# Altium PCB Tigershark 3D R2.2 - RRDC.PcbDoc (part 3 of 4) (continued)
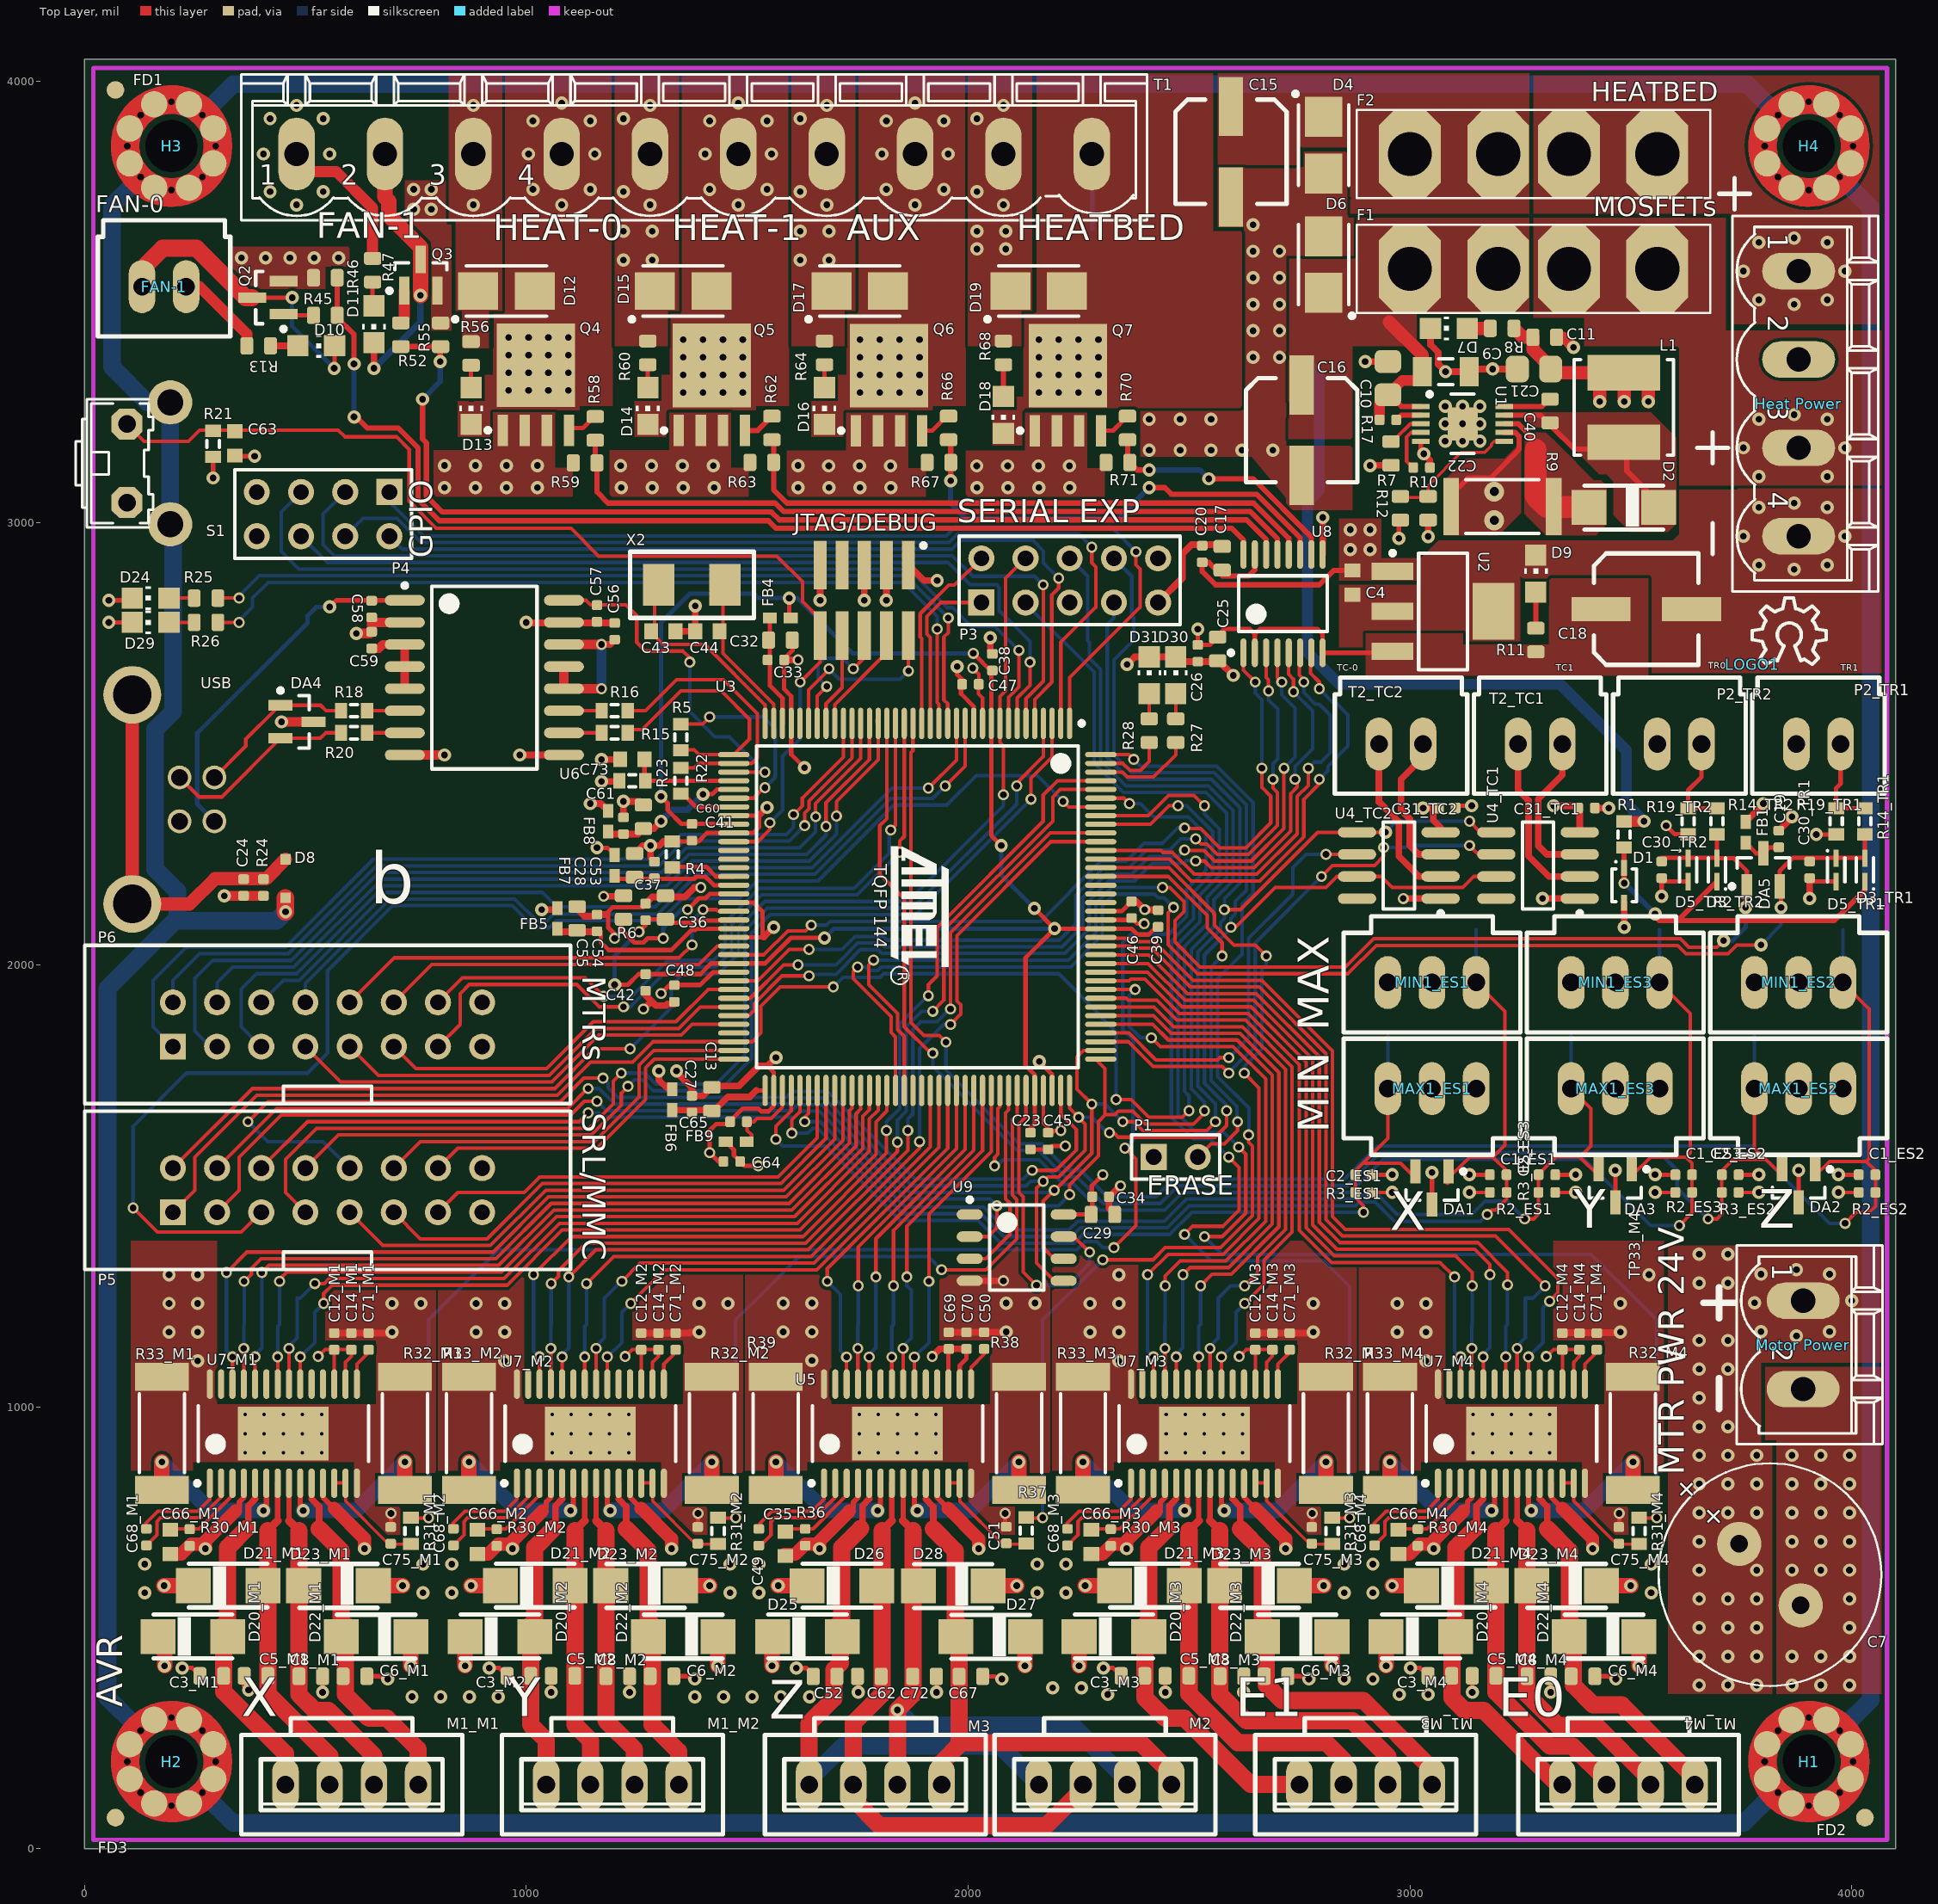
[diagram p0: Top Layer view]
## Nets (pads, with @x,y where several pads share a name; then routed paths per layer and width w, separated by ;. In a path a pad name is that pad's centre, name@x,y a point inside that pad or via, vN(x,y) a via of type N, cw(c..) or ccw(c..) an arc to the next point about the centre after c; other vN are vias at no path point) (continued)
  Top Layer w8: v2(370,1645) 415,1690 1076.77,1690 1130.27,1743.5 v2(1173.5,1743.5) ; v2(2145,1535) 2198.79,1535 2245,1581.21 2245,1626.77 2209.8,1661.96 U3.107@2209.8,1715.75
  Bottom Layer w8: v2(370,1645) 415,1600 540,1600 P5.10@600,1540 ; v2(1173.5,1743.5) 1185,1732 1185,1721.21 1206.21,1700 1588.13,1700 1601.63,1713.5 1681.5,1713.5 1880,1515 2125,1515 v2(2145,1535)
MCDZ1: P5.9 U3.81 | length 1338.9
  Top Layer w8: P5.9@600,1440 675,1365 918.79,1365 1043.79,1490 1582.43,1490 1697.99,1605.57 U3.81@1697.99,1715.75
MCDZ2: P5.11 U3.80 | length 1205.9
  Top Layer w8: P5.11@700,1440 760,1380 911.21,1380 1036.21,1505 1576.21,1505 1678.31,1607.09 U3.80@1678.31,1715.75
MCDZ3: P5.13 U3.79 | length 1035.6
  Top Layer w8: P5.13@800,1440 845,1485 995,1485 1030,1520 1570,1520 1658.5,1608.5 1658.5,1715.63 U3.79@1658.62,1715.75
MIN_ES1: C1_ES1.1 DA1.1 MIN1_ES1.1 R2_ES1.1 TP9_ES1.1 U3.77 | length 2683.6
  Top Layer w8: v4(1600.76,1618.99) 1600.76,1648.99 1619.25,1667.49 U3.77@1619.25,1715.75 ; DA1.1@3085,1505 3080,1510 3135,1565 3188.03,1565 ; MIN1_ES1.1@3150,1960 3215,1895 3215,1591.97 3188.03,1565 ; v2(3175,1435) 3185,1445 3193.9,1445 3218.9,1470 ; R2_ES1.1@3218.9,1485 3218.9,1534.13 3188.03,1565
  Bottom Layer w8: v4(1600.76,1618.99) 1637.22,1618.99 1648.23,1630 1658.93,1630 1852.17,1436.77 2028.79,1436.77 2080.55,1385 2234.34,1385 2254.34,1405 2450.55,1405 2500.55,1455 2876.77,1455 2885.27,1463.5 2921.5,1463.5 2965,1420 3160,1420 v2(3175,1435) ; MIN1_ES1.1@3150,1960 TP9_ES1.1@3150,2080
MIN_ES2: C1_ES2.1 DA2.1 MIN1_ES2.1 R2_ES2.1 TP9_ES2.1 U3.19 | length 3979.6
  Top Layer w8: U3.19@1875.16,2546.46 1875,2546.3 1875,2485 1870.47,2480.47 1870.47,1869.53 1900,1840 1935,1840 v2(1950,1825) ; DA2.1@3920,1519.8 3917.4,1522.4 3950,1555 4033.03,1555 ; MIN1_ES2.1@3980,1960 4040,1900 4040,1561.97 4033.03,1555 ; v2(3985,1415) 4010,1440 4040,1440 4053.9,1453.9 4053.9,1470 ; R2_ES2.1@4053.9,1485 4053.9,1534.13 4033.03,1555
  Bottom Layer w8: v2(1950,1825) 1950,1761.21 2116.21,1595 2166.21,1595 2226.21,1535 2255,1535 2315,1475 2425,1475 2465,1515 2851.91,1515 2926.91,1590 3775,1590 3950,1415 v2(3985,1415) ; MIN1_ES2.1@3980,1960 TP9_ES2.1@3980,2080
MIN_ES3: C1_ES3.1 DA3.1 MIN1_ES3.1 R2_ES3.1 TP9_ES3.1 U3.100 | length 2736.1
  Top Layer w8: v4(2060,1545) 2060,1564.08 2067.32,1571.4 2067.32,1675 2072.01,1679.68 U3.100@2072.01,1715.75 ; DA3.1@3502.4,1522.4 3545,1565 3625,1565 ; MIN1_ES3.1@3565,1960 3635,1890 3635,1574.91 3625.04,1564.96 3638.7,1551.3 C1_ES3.1@3638.7,1525 R2_ES3.1@3638.7,1485 ; v2(3610,1410) 3638.7,1438.7 3638.7,1470
  Bottom Layer w8: v4@2060,1540 2078.5,1558.5 2160.29,1558.5 2215.29,1503.5 2239.73,1503.5 2298.23,1445 2445,1445 2485,1485 2864.34,1485 2939.34,1560 3395,1560 3545,1410 v2(3610,1410) ; MIN1_ES3.1@3565,1960 TP9_ES3.1@3565,2080
MISO: P3.8 P5.4 TP7.1 U3.108 U4_TC1.7 U4_TC2.7 U9.5 | length 5247.8
  Top Layer w8: P5.4@300,1540 435,1675 1093.79,1675 1138.79,1720 v2(1140,1720) ; U9.5@2216.3,1285 2195,1285 2155,1325 2155,1495 v2(2170,1510) 2180,1520 2205,1520 2265,1580 2265,1640 v2(2250,1655) 2229.49,1675.51 U3.108@2229.49,1715.75 ; v2(2320,1620) 2330,1620 2340,1610 2558.79,1610 2585,1636.21 v2(2585,1670) ; v2(2595,2085) 2605,2085 2695,2175 2810,2175 2835,2200 U4_TC2.7@2880.51,2200 2935,2200 2960,2175 3120,2175 3145,2200 U4_TC1.7@3195.51,2200
  Bottom Layer w8: v2(1140,1720) 1165,1720 1200,1685 1594.34,1685 1607.84,1698.5 1675.29,1698.5 1873.79,1500 2131.21,1500 2141.21,1510 v2(2170,1510) ; v2(2250,1655) 2280,1655 2315,1620 v2(2320,1620) ; P3.8@2330,2920 2370.53,2879.47 2370.53,2789.47 2375,2785 TP7.1@2375,2735 2330,2690 2330,2475 2370,2435 2556.87,2435 2630,2361.87 2630,2168.79 2605,2143.79 2605,2115 2595,2105 v2(2595,2085) 2595,2082.72 2535,2022.72 2535,1732.02 2585,1682.02 v2(2585,1670) v2@2590,1670
MOD0E1: TP37_M1.1 U3.84 U7_M1.24 | length 1851.5
  Top Layer w8: U7_M1.24@386.02,1052.2 v2(386.02,1112.64) ; v2(401.26,1303.74) 417.52,1320 937.43,1320 1062.43,1445 1601.07,1445 1746.5,1590.43 1746.5,1663.37 1757.05,1673.92 U3.84@1757.05,1715.75
  Bottom Layer w8: v2(386.02,1112.64) 386.02,1118.57 401.23,1133.77 TP37_M1.1@401.23,1245.77 v2@401.23,1303.71
MOD0E2: TP37_M2.1 U3.135 U7_M2.24 | length 2122.7
  Top Layer w8: U7_M2.24@1081.02,1052.2 v2(1081.02,1112.64) ; v2(1096.26,1293.74) 1157.52,1355 1638.35,1355 1863.5,1580.15 v2(1863.5,1625) ; v2(1960,1900) 1960,2072.57 2185.85,2298.43 U3.135@2300.35,2298.43
  Bottom Layer w8: v2(1081.02,1112.64) 1081.02,1118.57 1096.23,1133.77 TP37_M2.1@1096.23,1245.77 v2@1096.23,1293.71 ; v2(1863.5,1625) 1863.5,1651.07 1875,1662.57 1875,1853.79 1892.71,1871.5 1929.73,1871.5 1958.23,1900 v2(1960,1900)
MOD0E3: TP37_M3.1 U3.113 U7_M3.24 | length 1275.3
  Top Layer w8: U3.113@2300.35,1865.35 2417.88,1865.35 2453.23,1830 2609.08,1830 2688.5,1750.58 2688.5,1413.65 2589.85,1315 2502.52,1315 v4(2486.26,1298.74) ; U7_M3.24@2471.02,1052.2 v4(2471.02,1112.64)
  Bottom Layer w8: v4(2471.02,1112.64) 2471.02,1118.57 2486.23,1133.77 TP37_M3.1@2486.23,1245.77 v4@2486.23,1298.71
MOD0E4: TP37_M4.1 U3.120 U7_M4.24 | length 1659.1
  Top Layer w8: U3.120@2300.35,2003.15 2407.36,2003.15 2490.51,1920 2646.36,1920 2780,1786.36 2780,1411.36 2834.86,1356.5 3147.29,1356.5 3181.23,1322.56 v4(3181.23,1298.77) ; U7_M4.24@3166.02,1052.2 v4(3166.02,1112.64)
  Bottom Layer w8: v4(3166.02,1112.64) 3166.02,1118.57 3181.23,1133.77 TP37_M4.1@3181.23,1245.77 v4(3181.23,1298.77)
MOD0E_Z: TP19.1 U3.96 U5.24 | length 747.6
  Top Layer w8: U5.24@1776.06,1052.17 v4(1776.06,1112.61) ; v4(1791.26,1293.74) 1791.26,1380.19 1993.27,1582.2 U3.96@1993.27,1715.75
  Bottom Layer w8: v4@1776.06,1118.54 1791.26,1133.74 TP19.1@1791.26,1234.74 v4(1791.26,1293.74)
MOD1E1: TP36_M1.1 U3.83 U7_M1.25 | length 1861
  Top Layer w8: U7_M1.25@360.43,1052.2 v2(360.43,1132.05) ; v2(361.26,1283.74) 377.76,1300.24 377.76,1313.47 399.29,1335 931.21,1335 1056.21,1460 1594.85,1460 1731.5,1596.65 1731.5,1669.59 1737.36,1675.45 U3.83@1737.36,1715.75
  Bottom Layer w8: v2(360.43,1132.05) 360.43,1184.98 TP36_M1.1@361.23,1185.77 v2@361.23,1283.71
MOD1E2: TP36_M2.1 U3.140 U7_M2.25 | length 2219.9
  Top Layer w8: U7_M2.25@1055.43,1052.2 v2(1055.43,1132.05) ; v2(1056.26,1278.74) 1072.76,1295.24 1072.76,1307.76 1135,1370 1632.13,1370 1840,1577.87 v2(1840,1598.64) ; v2(1920,1895) 1945,1920 1945,2078.79 2191.5,2325.29 2191.5,2379.73 2208.62,2396.85 U3.140@2300.35,2396.85
  Bottom Layer w8: v2(1055.43,1132.05) 1055.43,1184.98 TP36_M2.1@1056.23,1185.77 1056.23,1233.74 v2(1056.26,1278.74) ; v2(1840,1598.64) 1840,1648.79 1860,1668.79 1860,1860 1895,1895 v2(1920,1895)
MOD1E3: TP36_M3.1 U3.117 U7_M3.25 | length 1361.4
  Top Layer w8: U3.117@2300.35,1944.09 v2(2378.11,1944.09) ; v2(2415,1835) 2435,1815 2600,1815 2673.5,1741.5 2673.5,1419.86 2583.64,1330 2480,1330 2446.26,1296.26 v4(2446.26,1273.74) ; U7_M3.25@2445.43,1052.2 v4(2445.43,1132.05)
  Bottom Layer w8: v2(2378.11,1944.09) 2365,1930.98 2365,1860 2390,1835 v2(2415,1835) ; v4(2445.43,1132.05) 2445.43,1184.98 TP36_M3.1@2446.23,1185.77 v4@2446.23,1265.77
MOD1E4: TP36_M4.1 U3.119 U7_M4.25 | length 1586
  Top Layer w8: U3.119@2300.35,1983.46 2405.84,1983.46 2484.3,1905 2640.15,1905 2765,1780.15 2765,1405.15 2828.65,1341.5 3103.5,1341.5 3141.23,1303.77 v4(3141.23,1273.77) ; U7_M4.25@3140.43,1052.2 v4(3140.43,1132.05)
  Bottom Layer w8: v4(3140.43,1132.05) 3140.43,1184.98 TP36_M4.1@3141.23,1185.77 v4@3141.23,1265.77
MOD1E_Z: TP18.1 U3.95 U5.25 | length 746.9
  Top Layer w8: U5.25@1750.46,1052.17 v4(1750.46,1132.02) ; v4(1751.26,1273.74) 1751.26,1361.41 1973.58,1583.73 U3.95@1973.58,1715.75
  Bottom Layer w8: v4(1750.46,1132.02) TP18.1@1750.46,1184.94 ; TP18.1@1751.26,1185.74 v4@1751.26,1265.74
MOD2E1: TP35_M1.1 U3.82 U7_M1.26 | length 1889.7
  Top Layer w8: v2(321.26,1303.74) 367.52,1350 925,1350 1050,1475 1588.64,1475 1716.5,1602.86 1716.5,1714.57 U3.82@1717.68,1715.75 ; U7_M1.26@334.84,1052.2 v2(334.84,1112.64)
  Bottom Layer w8: v2@321.23,1303.71 TP35_M1.1@321.23,1245.77 321.23,1126.25 v2(334.84,1112.64)
MOD2E2: TP35_M2.1 U3.141 U7_M2.26 | length 2266.5
  Top Layer w8: v2(1016.26,1298.74) 1102.52,1385 1625.92,1385 1815,1574.08 v2(1815,1625) ; U7_M2.26@1029.84,1052.2 v2(1029.84,1112.64) ; v2(1910,1930) 1910,1955 1930,1975 1930,2085 2170,2325 2170,2384.07 2202.46,2416.54 U3.141@2300.35,2416.54
  Bottom Layer w8: v2@1016.23,1298.71 TP35_M2.1@1016.23,1245.77 1016.23,1126.25 v2(1029.84,1112.64) ; v2(1815,1625) 1815,1645 1845,1675 1845,1866.21 1908.79,1930 v2(1910,1930)
MOD2E3: TP35_M3.1 U3.131 U7_M3.26 | length 1668
  Top Layer w8: U3.131@2300.35,2219.68 2454.65,2219.68 2556.5,2117.84 2556.5,2115.27 2557.57,2114.19 2557.57,2089.19 2601.77,2045 2650,2045 v2(2675,2020) ; v4(2406.26,1298.74) 2452.52,1345 2577.43,1345 2658.5,1426.07 2658.5,1721.5 v2(2625,1755) ; U7_M3.26@2419.84,1052.2 v4(2419.84,1112.64)
  Bottom Layer w8: v4@2406.23,1298.71 TP35_M3.1@2406.23,1245.77 2406.23,1126.25 v4(2419.84,1112.64) ; v2(2625,1755) 2631.21,1755 2625,1761.21 2625,1770 2665,1810 2665,1990 2675,2000 v2(2675,2020)
MOD2E4: TP35_M4.1 U3.118 U7_M4.26 | length 1553.5
  Top Layer w8: U3.118@2300.35,1963.78 2364.56,1963.78 2368.38,1967.59 2400.49,1967.59 2478.09,1890 2633.93,1890 2750,1773.93 2750,1398.93 2822.43,1326.5 3068.5,1326.5 v4(3101.26,1293.74) ; U7_M4.26@3114.84,1052.2 v4(3114.84,1112.64)
  Bottom Layer w8: TP35_M4.1@3101.23,1245.77 3101.23,1126.25 v4(3114.84,1112.64) ; TP35_M4.1@3101.26,1245.8 v4(3101.26,1293.74) v4@3101.26,1298.74
MOD2E_Z: TP17.1 U3.94 U5.26 | length 794.6
  Top Layer w8: v4(1681.26,1283.74) 1681.26,1312.62 1953.9,1585.26 U3.94@1953.9,1715.75 ; U5.26@1724.87,1052.17 v4(1724.87,1112.61)
  Bottom Layer w8: v4(1681.26,1283.74) 1711.26,1253.74 1711.26,1126.22 v4(1724.87,1112.61)
MODE0_EXP1: P6.1 U3.27 | length 2044
  Top Layer w8: v2(1605,2340) 1624.85,2359.85 1624.85,2377.28 1717.68,2470.1 U3.27@1717.68,2546.46
  Bottom Layer w8: P6.1@200,1815 155,1860 155,1965 230,2040 455.15,2040 654.15,2239 1294,2239 1350,2295 1588.79,2295 1605,2311.21 v2(1605,2340)
MODE0_EXP2: P6.2 U3.26 | length 1900.9
  Top Layer w8: v2(1630,2315) 1630,2343.79 1639.85,2353.64 1639.85,2371.06 1737.36,2468.58 U3.26@1737.36,2546.46
  Bottom Layer w8: P6.2@200,1915 200,1965 260,2025 461.36,2025 660.36,2224 1300.21,2224 1356.21,2280 1595,2280 v2(1630,2315)
MODE1_EXP1: P6.3 U3.25 | length 2014.2
  Top Layer w8: v2(1654.85,2335.4) 1654.85,2364.85 1757.05,2467.05 U3.25@1757.05,2546.46
  Bottom Layer w8: P6.3@300,1815 285,1815 250,1850 250,1970 290,2010 467.57,2010 666.57,2209 1306.43,2209 1362.43,2265 1618.79,2265 1654.85,2301.06 v2(1654.85,2335.4)
MODE1_EXP2: P6.4 U3.24 | length 1855.3
  Top Layer w8: v2(1678.35,2313.35) 1678.35,2367.14 1776.73,2465.52 U3.24@1776.73,2546.46
  Bottom Layer w8: P6.4@300,1915 300,1960 335,1995 473.79,1995 672.79,2194 1312.64,2194 1368.64,2250 1635,2250 1678.35,2293.35 v2(1678.35,2313.35)
MODE2_EXP1: P6.5 U3.23 | length 1940.4
  Top Layer w8: v2(1701.85,2336.85) 1701.85,2369.42 1796.42,2463.99 U3.23@1796.42,2546.46 1793.64,2549.24 U3.23@1793.64,2555
  Bottom Layer w8: P6.5@400,1815 355,1860 355,1945 390,1980 480,1980 679,2179 1318.85,2179 1374.85,2235 1641.21,2235 1701.85,2295.64 v2(1701.85,2336.85)
MODE2_EXP2: P6.6 U3.14 | length 1910.6
  Top Layer w8: v2(1910,2400) 1973.58,2463.58 U3.14@1973.58,2546.46
  Bottom Layer w8: P6.6@400,1915 450,1965 486.21,1965 685.21,2164 1036,2164 1068.5,2131.5 1292.57,2131.5 1381.07,2220 1647.43,2220 1827.43,2400 v2(1910,2400)
MOSI: P3.6 P5.6 TP8.1 U3.109 U9.2 | length 4283.6
  Top Layer w8: P5.6@400,1540 505,1645 1120,1645 v2(1140,1665) ; U9.2@2003.7,1385 2045,1385 2065,1405 v2(2065,1455) ; v2(2230,1480) 2230,1502.57 2295,1567.57 2295,1645 2310.81,1660.81 ; U3.109@2290,1785 2310,1765 2310,1660.81 2332.57,1660.81 2340.27,1668.5 2372.71,1668.5 2401.21,1640 2510,1640 2540,1670 v2(2535,1670)
  Bottom Layer w8: v2(1140,1665) 1165,1665 1175,1655 1606.77,1655 1620.27,1668.5 1662.86,1668.5 1861.36,1470 2050,1470 v2(2065,1455) 2205,1455 v2(2230,1480) ; P3.6@2230,2920 2270.53,2879.47 2270.53,2734.47 TP8.1@2275,2730 2275,2693.79 2300,2668.79 2300,2462.57 2357.57,2405 2544.45,2405 2600,2349.45 2600,2191.07 2556.5,2147.57 2556.5,2086.65 2505,2035.15 2505,1719.59 2535,1689.59 v2(2535,1670)
NetC3_M1_1: C3_M1.1 D20_M1.A M1_M1.4 U7_M1.5 | length 770.2
  Top Layer w12: 386.02,791.02 U7_M1.5@386.02,827.8
  Top Layer w15: 367,724.48 370.76,728.24 370.76,775.76 386.02,791.02
  Top Layer w39: 367,724.48 324,681.48 324,515 315,506 315,355 455,215 M1_M1.4@455,145
NetC3_M2_1: C3_M2.1 D20_M2.A M1_M2.4 U7_M2.5 | length 726.8
  Top Layer w12: 1081.02,791.02 U7_M2.5@1081.02,827.8
  Top Layer w15: 1062,724.48 1065.76,728.24 1065.76,775.76 1081.02,791.02
  Top Layer w39: C3_M2.1@1009.77,391 1009.77,280.23 1045,245 M1_M2.4@1045,145 ; C3_M2.1@1010,391 1010,506 1019,515 1019,681.48 1062,724.48
NetC3_M3_1: C3_M3.1 D20_M3.A M1_M3.4 U7_M3.5 | length 947.2
  Top Layer w12: 2471.02,791.02 U7_M3.5@2471.02,827.8
  Top Layer w15: 2452,724.48 2455.76,728.24 2455.76,775.76 2471.02,791.02
  Top Layer w39: 2452,724.48 2409,681.48 2409,515 2400,506 2400,341.31 2446.31,295 2489.69,295 2639.69,145 M1_M3.4@2750,145
NetC3_M4_1: C3_M4.1 D20_M4.A M1_M4.4 U7_M4.5 | length 847.2
  Top Layer w12: 3166.02,791.02 U7_M4.5@3166.02,827.8
  Top Layer w15: 3147,724.48 3150.76,728.24 3150.76,775.76 3166.02,791.02
  Top Layer w39: 3147,724.48 3104,681.48 3104,515 3095,506 3095,341.31 3124.04,312.27 3167.73,312.27 3335,145 M1_M4.4@3345,145
NetC5_M1_1: C5_M1.1 D21_M1.A M1_M1.3 U7_M1.7 | length 750
  Top Layer w12: 437.2,742.2 U7_M1.7@437.2,827.8
  Top Layer w18: 415,720 437.2,742.2
  Top Layer w39: 415,720 415,350 555,210 M1_M1.3@555,145
NetC5_M2_1: C5_M2.1 D21_M2.A M1_M2.3 U7_M2.7 | length 706.5
  Top Layer w12: 1132.2,742.2 U7_M2.7@1132.2,827.8
  Top Layer w18: 1110,720 1132.2,742.2
  Top Layer w39: 1110,720 1110,280 1145,245 M1_M2.3@1145,145
NetC5_M3_1: C5_M3.1 D21_M3.A M1_M3.3 U7_M3.7 | length 954.1
  Top Layer w12: 2522.2,742.2 U7_M3.7@2522.2,827.8
  Top Layer w18: 2500,720 2522.2,742.2
  Top Layer w39: 2500,720 2500,350 2610,240 2810,240 2850,200 M1_M3.3@2850,145
NetC5_M4_1: C5_M4.1 D21_M4.A M1_M4.3 U7_M4.7 | length 825.5
  Top Layer w12: 3217.2,742.2 U7_M4.7@3217.2,827.8
  Top Layer w18: 3195,720 3217.2,742.2
  Top Layer w39: 3195,720 3195,353.77 3317.27,231.5 3368.4,231.5 3445,154.9 M1_M4.3@3445,145
NetC6_M1_1: C6_M1.1 D22_M1.A M1_M1.1 U7_M1.10 | length 806.8
  Top Layer w12: 513.98,791.02 U7_M1.10@513.98,827.8
  Top Layer w15: 513.98,791.02 531,774 531,724
  Top Layer w39: 531,724 581,674 581,515 590,506 590,348.74 643.74,295 685,295 755,225 M1_M1.1@755,145
NetC6_M2_1: C6_M2.1 D22_M2.A M1_M2.1 U7_M2.10 | length 739.1
  Top Layer w12: 1208.98,791.02 U7_M2.10@1208.98,827.8
  Top Layer w15: 1208.98,791.02 1226,774 1226,724
  Top Layer w39: 1226,724 1276,674 1276,515 1285,506 1285,280 1345,220 M1_M2.1@1345,145
NetC6_M3_1: C6_M3.1 D22_M3.A M1_M3.1 U7_M3.10 | length 977.7
  Top Layer w12: 2598.98,791.02 U7_M3.10@2598.98,827.8
  Top Layer w15: 2598.98,791.02 2616,774 2616,724
  Top Layer w39: 2616,724 2666,674 2666,515 2675,506 2675,370.46 2710.46,335 2895,335 3050,180 M1_M3.1@3050,145
NetC6_M4_1: C6_M4.1 D22_M4.A M1_M4.1 U7_M4.10 | length 866.3
  Top Layer w12: 3293.98,791.02 U7_M4.10@3293.98,827.8
  Top Layer w15: 3293.98,791.02 3311,774 3311,724
  Top Layer w39: 3311,724 3361,674 3361,515 3370,506 3370,370 3415,325 3480,325 3645,160 M1_M4.1@3645,145
NetC8_M1_1: C8_M1.1 D23_M1.A M1_M1.2 U7_M1.8 | length 780.7
  Top Layer w12: 462.8,742.2 U7_M1.8@462.8,827.8
  Top Layer w18: 462.8,742.2 485,720
  Top Layer w39: 485,720 485,348.82 521.58,312.24 552.76,312.24 655,210 M1_M1.2@655,145
NetC8_M2_1: C8_M2.1 D23_M2.A M1_M2.2 U7_M2.8 | length 718.9
  Top Layer w12: 1157.8,742.2 U7_M2.8@1157.8,827.8
  Top Layer w18: 1157.8,742.2 1180,720
  Top Layer w39: 1180,720 1180,290 1245,225 M1_M2.2@1245,145
NetC8_M3_1: C8_M3.1 D23_M3.A M1_M3.2 U7_M3.8 | length 990.1
  Top Layer w12: 2547.8,742.2 U7_M3.8@2547.8,827.8
  Top Layer w18: 2547.8,742.2 2570,720
  Top Layer w39: 2570,720 2570,350.05 2571,349.05 2571,347.82 2629.82,289 2870,289 2950,209 M1_M3.2@2950,145
NetC8_M4_1: C8_M4.1 D23_M4.A M1_M4.2 U7_M4.8 | length 858.5
  Top Layer w12: 3242.8,742.2 U7_M4.8@3242.8,827.8
  Top Layer w18: 3242.8,742.2 3265,720
  Top Layer w39: 3265,720 3265,348.82 3334.82,279 3421,279 3545,155 M1_M4.2@3545,145
NetC19_2: C19.2 DA5.3 FB1.1 | length 90.6
  Top Layer w10: FB1.1@3760,2276.38 3783.98,2252.4 DA5.3@3800,2252.4 3813.6,2266 C19.2@3835,2266
NetC22_1: C22.1 U1.4 | length 112
  Top Layer w8: C22.1@3007.3,3125 2992.52,3139.78 2992.52,3194.29 3002.97,3204.74 U1.4@3024.83,3204.74
NetC24_2: C24.2 D8.A R24.2 USB.5 USB.6 | length 862.1
  Top Layer w30: USB.5@108,2611.16 USB.6@108,2137.94 237.94,2137.94 295,2195 411,2195 D8.A@455,2239
NetC35_2: C35.2 R36.1 U5.3 | length 201.8
  Top Layer w8: C35.2@1583.77,721.27 1586.21,723.71 1649.07,723.71 1724.87,799.51 U5.3@1724.87,827.76
NetC40_1: C40.1 U1.10 | length 93.4
  Top Layer w12: U1.10@3213.8,3263.8 3298.8,3263.8 C40.1@3304.77,3269.77
NetC40_2: C40.2 D2.C L1.1 U1.9 | length 475.6
  Top Layer w12: U1.9@3213.8,3244.11 3295.12,3244.11 3323,3216.23 3371.97,3167.26 3491,3167.26 3491,3117.74 D2.C@3573.74,3035
NetC43_2: C43.2 U3.36 X2.1 | length 476.4
  Top Layer w8: X2.1@1300,2860 1290,2850 1290,2745 1310,2725 1403.79,2725 1540.51,2588.27 U3.36@1540.51,2546.46
NetC44_2: C44.2 U3.35 X2.2 | length 376.3
  Top Layer w8: X2.2@1445,2875 1445,2705 1560.2,2589.8 U3.35@1560.2,2546.46
NetC49_1: C49.1 U5.1 | length 218.5
  Top Layer w8: C49.1@1528.77,722.41 1528.77,736.5 1555.98,763.71 1646.65,763.71 1673.69,790.75 U5.1@1673.69,827.76
NetC49_2: C49.2 U5.2 | length 266.8
  Top Layer w8: C49.2@1528.77,684.71 1553.77,709.71 1553.77,740.29 1562.19,748.71 1652.86,748.71 1699.28,795.13 U5.2@1699.28,827.76
NetC50_2: C50.2 U5.15 | length 91.1
  Top Layer w8: U5.15@2006.6,1051.94 2006.6,1089.08 2036.26,1118.74 C50.2@2036.26,1130.74
NetC51_2: C51.2 R37.1 U5.12 U5.13 | length 255
  Top Layer w7: U5.12@1955.19,827.76 1980.78,827.76 1980.78,786.7 2078.3,689.18 R37.1@2128.77,689.18
NetC52_1: C52.1 D25.A M2.4 M3.4 U5.5 | length 1323.8
  Top Layer w12: 1776.06,790.99 U5.5@1776.06,827.76
  Top Layer w15: 1760.79,728.21 1760.79,775.73 1776.06,790.99
  Top Layer w39: M3.4@1640,145 1640,283.79 1696.26,340.05 1696.26,404.83 1711.26,419.83 1711.26,499.74 D25.A@1705.03,505.97 ; D25.A@1714.03,514.97 1714.03,681.45 1757.03,724.45
  Bottom Layer w39: M3.4@1640,145 1640,155 1716.5,231.5 2073.5,231.5 M2.4@2160,145
NetC56_2: C56.2 U6.12 U6.13 U6.14 | length 355.3
  Top Layer w15: v2(1170,2725) 1190,2725 C56.2@1201,2736
  Top Layer w22: U6.13@1085.12,2675 U6.12@1085.12,2625 v2(1170,2625) ; U6.14@1085.12,2725 v2(1170,2725)
  Bottom Layer w22: v2(1170,2625) v2(1170,2725)
NetC58_2: C58.2 U6.1 USB.1 | length 819.1
  Top Layer w10: v1(555,2810) 570,2825 U6.1@724.88,2825
  Bottom Layer w10: USB.1@294,2324.94 255,2363.94 255,2524 505,2774 505,2790 525,2810 v1(555,2810)
NetC59_2: C59.2 U6.3 U6.4 U6.5 | length 178.6
  Top Layer w20: C59.2@650,2716 666,2716 675,2725 U6.3@724.88,2725 U6.4@724.88,2675 U6.5@724.88,2625
NetC62_1: C62.1 D26.A M2.3 M3.3 U5.7 | length 1298.4
  Top Layer w12: 1827.24,742.17 U5.7@1827.24,827.76
  Top Layer w18: 1805.03,719.97 1827.24,742.17
  Top Layer w39: M3.3@1740,111.5 1800,51.5 2176.4,51.5 M2.3@2260,135.1 ; M3.3@1740,145 1740,283.76 1805.03,348.79 1805.03,719.97
NetC66_M1_2: C66_M1.2 R30_M1.1 U7_M1.3 | length 201.8
  Top Layer w8: C66_M1.2@193.74,721.3 196.18,723.74 259.04,723.74 334.84,799.54 U7_M1.3@334.84,827.8
NetC66_M2_2: C66_M2.2 R30_M2.1 U7_M2.3 | length 201.8
  Top Layer w8: C66_M2.2@888.74,721.3 891.18,723.74 954.04,723.74 1029.84,799.54 U7_M2.3@1029.84,827.8
NetC66_M3_2: C66_M3.2 R30_M3.1 U7_M3.3 | length 201.8
  Top Layer w8: C66_M3.2@2278.74,721.3 2281.18,723.74 2344.04,723.74 2419.84,799.54 U7_M3.3@2419.84,827.8
NetC66_M4_2: C66_M4.2 R30_M4.1 U7_M4.3 | length 201.8
  Top Layer w8: C66_M4.2@2973.74,721.3 2976.18,723.74 3039.04,723.74 3114.84,799.54 U7_M4.3@3114.84,827.8
NetC67_1: C67.1 D27.A M2.1 M3.1 U5.10 | length 1267.1
  Top Layer w12: 1904.01,790.99 U5.10@1904.01,827.76
  Top Layer w15: 1904.01,790.99 1921.03,773.97 1921.03,723.97
  Top Layer w39: 1921.03,723.97 1971.03,673.97 1971.03,514.97 1980.03,505.97 1979.49,505.42 C67.1@1979.49,389.74 1979.49,235 ; M3.1@1940,145 1940,195 1985,240 2390,240 2460,170 M2.1@2460,145
NetC68_M1_1: C68_M1.1 U7_M1.1 | length 218.5
  Top Layer w8: C68_M1.1@138.74,722.44 138.74,736.53 165.95,763.74 256.62,763.74 283.66,790.79 U7_M1.1@283.66,827.8
NetC68_M1_2: C68_M1.2 U7_M1.2 | length 266.8
  Top Layer w8: C68_M1.2@138.74,684.74 163.74,709.74 163.74,740.32 172.16,748.74 262.83,748.74 309.25,795.16 U7_M1.2@309.25,827.8
NetC68_M2_1: C68_M2.1 U7_M2.1 | length 218.5
  Top Layer w8: C68_M2.1@833.74,722.44 833.74,736.53 860.95,763.74 951.62,763.74 978.66,790.79 U7_M2.1@978.66,827.8
NetC68_M2_2: C68_M2.2 U7_M2.2 | length 266.8
  Top Layer w8: C68_M2.2@833.74,684.74 858.74,709.74 858.74,740.32 867.16,748.74 957.83,748.74 1004.25,795.16 U7_M2.2@1004.25,827.8
NetC68_M3_1: C68_M3.1 U7_M3.1 | length 218.5
  Top Layer w8: C68_M3.1@2223.74,722.44 2223.74,736.53 2250.95,763.74 2341.62,763.74 2368.66,790.79 U7_M3.1@2368.66,827.8
NetC68_M3_2: C68_M3.2 U7_M3.2 | length 266.8
  Top Layer w8: C68_M3.2@2223.74,684.74 2248.74,709.74 2248.74,740.32 2257.16,748.74 2347.83,748.74 2394.25,795.16 U7_M3.2@2394.25,827.8
NetC68_M4_1: C68_M4.1 U7_M4.1 | length 218.5
  Top Layer w8: C68_M4.1@2918.74,722.44 2918.74,736.53 2945.95,763.74 3036.62,763.74 3063.66,790.79 U7_M4.1@3063.66,827.8
NetC68_M4_2: C68_M4.2 U7_M4.2 | length 266.8
  Top Layer w8: C68_M4.2@2918.74,684.74 2943.74,709.74 2943.74,740.32 2952.16,748.74 3042.83,748.74 3089.25,795.16 U7_M4.2@3089.25,827.8
NetC71_M1_2: C71_M1.2 U7_M1.15 | length 88.9
  Top Layer w8: U7_M1.15@616.34,1052.2 616.34,1096.34 643.74,1123.74 C71_M1.2@643.74,1129.74
NetC71_M2_2: C71_M2.2 U7_M2.15 | length 88.9
  Top Layer w8: U7_M2.15@1311.34,1052.2 1311.34,1096.34 1338.74,1123.74 C71_M2.2@1338.74,1129.74
NetC71_M3_2: C71_M3.2 U7_M3.15 | length 88.9
  Top Layer w8: U7_M3.15@2701.34,1052.2 2701.34,1096.34 2728.74,1123.74 C71_M3.2@2728.74,1129.74
NetC71_M4_2: C71_M4.2 U7_M4.15 | length 88.9
  Top Layer w8: U7_M4.15@3396.34,1052.2 3396.34,1096.34 3423.74,1123.74 C71_M4.2@3423.74,1129.74
NetC72_1: C72.1 D28.A M2.2 M3.2 U5.8 | length 1302.2
  Top Layer w12: 1852.83,742.17 U5.8@1852.83,827.76
  Top Layer w18: 1852.83,742.17 1875.03,719.97
  Top Layer w39: M3.2@1840,145 v1(1840,313.76) 1875.03,348.79 1875.03,719.97
  Bottom Layer w39: v1(1840,313.76) 1873.76,280 2234.9,280 2360,154.9 M2.2@2360,145
NetC73_2: C73.2 R23.2 U3.40 | length 240.6
  Top Layer w10: C73.2@1267.56,2465 1267.56,2418.5 R23.2@1269.53,2416.54 ; R23.2@1278.35,2416.54 U3.40@1469.65,2416.54
NetC75_M1_2: C75_M1.2 R31_M1.1 U7_M1.12 U7_M1.13 | length 255
  Top Layer w7: U7_M1.12@565.16,827.8 590.75,827.8 590.75,786.73 688.27,689.21 R31_M1.1@738.74,689.21
NetC75_M2_2: C75_M2.2 R31_M2.1 U7_M2.12 U7_M2.13 | length 255
  Top Layer w7: U7_M2.12@1260.16,827.8 1285.75,827.8 1285.75,786.73 1383.27,689.21 R31_M2.1@1433.74,689.21
NetC75_M3_2: C75_M3.2 R31_M3.1 U7_M3.12 U7_M3.13 | length 255
  Top Layer w7: U7_M3.12@2650.16,827.8 2675.75,827.8 2675.75,786.73 2773.27,689.21 R31_M3.1@2823.74,689.21
NetC75_M4_2: C75_M4.2 R31_M4.1 U7_M4.12 U7_M4.13 | length 255
  Top Layer w7: U7_M4.12@3345.16,827.8 3370.75,827.8 3370.75,786.73 3468.27,689.21 R31_M4.1@3518.74,689.21
NetD2_A: D2.A R9.2 U1.8 | length 326.9
  Top Layer w12: U1.8@3213.8,3224.43 3245.67,3224.43 3284.88,3185.22 3284.88,3166
  Top Layer w50: 3284.88,3166 3284.88,3061.26 R9.2@3310.14,3036 ; R9.2@3325.14,3036 D2.A@3405,3036
NetD7_A: D7.A R8.1 | length 51.9
  Top Layer w30: D7.A@3130.1,3440.43 R8.1@3182,3440.43
NetD9_A: D9.A R11.1 | length 81.9
  Top Layer w12: R11.1@3285,2761.77 D9.A@3285,2843.66
NetD10_A: D10.A R13.1 | length 61.9
  Top Layer w15: R13.1@420.77,3401 D10.A@482.66,3401
NetD10_C: D10.C FAN-1.2 Q2.3 | length 738.3
  Top Layer w10: FAN-1.2@125,3495 FAN-1.2@125,3570 ; Q2.3@379.57,3510 v1(470,3510) ; v1(565,3350) 566,3351 D10.C@566,3401
  Top Layer w39: FAN-1.2@125,3570 176.5,3621.5 253.4,3621.5 364.9,3510 Q2.3@379.57,3510
  Bottom Layer w10: v1(470,3510) 470,3445 v1(565,3350)
NetD11_A: D11.A R47.1 | length 55.1
  Top Layer w10: R47.1@652,3545.23 652,3494.34 D11.A@655,3491.34
NetD11_C: D11.C Q3.3 T1.2 | length 595.2
  Top Layer w15: v1(655,3350) D11.C@655,3408
  Top Layer w35: T1.2@680,3810 680,3737.33 689,3728.33 689,3696 761,3624 Q3.3@761,3596.43 761,3515.4 v1@760.6,3515
  Bottom Layer w15: v1(655,3350) 760,3455 v1(760,3515)
NetD12_1: D12.1 D13.C Q4.5 T1.4 TP11.1
  other v1: 960,3300 1005,3300 1050,3300 1095,3300 960,3340 1005,3340 1050,3340 1095,3340 960,3380 1005,3380 1050,3380 1095,3380 960,3420 1005,3420 1050,3420 1095,3420 1080,3720 1015,3755 1145,3755 1005,3835 1155,3835 1015,3910 1145,3910 1080,3950
NetD13_A: D13.A R56.1 | length 50.5
  Top Layer w10: D13.A@875,3306.34 R56.1@875,3356.87
NetD14_A: D14.A R60.1 | length 51.9
  Top Layer w10: D14.A@1275,3306.34 R60.1@1275,3358.23